# KiCad board Amiga A500 Keyboard - Mitsumi A619B Membrane - Mapping.kicad_pcb (continued)
## Routing (per net, layer and track width the routed paths; a pad name or vN(x,y) marks a point on that pad's centre or on a via; arc(x,y) is an arc through that point) (continued)
/PD0_~{Y0}: length 395.9
  Top w0.25: SW74.1 313.45,33.72 SW59.1 315.71,31.41 324.86,31.41 SW29.1 330.96,25.31 343.18,25.31 SW44.1 349.88,25.54 354.09,25.54 355.84,23.79 355.84,22.06 358.43,19.47 369.74,19.47 372.84,22.57 372.84,25.31 371.16,26.99 371.16,36.44 374.31,39.59 380.96,39.59 382.59,41.21 382.59,48.2 381.6,49.19 379.41,49.19 375.81,52.79 375.81,55.44 373.45,57.8 373.45,59.91 375.48,61.94 383.99,61.94 385.41,63.36 394.38,63.36 396.97,65.95 396.97,67.63 394.43,70.17 387.42,70.17 381.75,64.5 379.8,64.5 379.01,65.29 379.01,67.4 375.25,71.16 372.18,71.16 367.05,76.29 367.05,80.33 365.85,81.52 362.09,81.52 359.73,83.88 359.73,86.6 356.62,89.71 356.62,89.84 ; 356.62,89.84 350.05,83.27 344.4,83.27 SW89.1 338.64,89.04 338.57,89.04 338.57,91.68 328.94,101.31 328.94,101.36 328.93,101.38 J1.29 ; 356.62,89.84 361.58,94.81 374.67,94.81 376.67,92.8 376.67,90.87 379.47,88.07 381.47,88.07 387.14,93.74 393.87,93.74 394.81,92.8 394.81,91.86 398.9,87.77 402.17,87.77 404.48,90.08 414.31,90.08 416.7,87.69 427.73,87.69 429.61,89.57 433.8,89.57 435.65,87.72 435.65,84.77 430.98,80.1 430.98,75.37 431.41,74.94 432.04,74.94 433.24,73.75 433.24,72.17 431.99,70.93 429.99,70.93 429.58,70.52 429.58,69.49 SW15.1
/PD0_~{Y8}: length 930.5
  Top w0.25: 162.02,57.87 152.15,57.87 SW36.1 ; 162.02,57.87 180.3,57.87 181.29,56.88 190.67,56.88 197.98,64.2 197.98,67.32 194.48,70.83 184.9,70.83 181.85,67.78 179.14,67.78 176.04,70.88 169.2,70.88 166.59,68.26 160.47,68.26 157.32,71.41 157.32,79.06 ; 162.02,57.87 162.17,57.87 162.17,52.26 165.29,49.14 171.19,49.14 173.9,51.85 180.69,51.85 183.66,48.88 183.66,46.5 185.97,44.18 185.97,42.38 189.73,38.62 231.13,38.62 236.01,33.74 236.01,32.58 234.08,30.65 232.27,30.65 229.4,33.52 229.4,35.29 227.73,36.97 221.88,36.97 215.61,30.7 212.77,30.7 209.08,34.38 209.08,35.22 207.96,36.34 201.44,36.34 195.67,30.57 193.44,30.57 191.28,32.73 184.09,32.73 181.52,30.16 173.8,30.16 171.31,32.65 164.94,32.65 161.81,35.78 158.38,35.78 SW22.1 160.87,29.18 160.87,23.81 163.54,21.15 194.53,21.15 197.86,24.47 224.73,24.47 225.92,23.28 240.1,23.28 v1(243.75,26.94) ; 370.14,29.12 370.14,26.51 371.69,24.96 371.69,23.03 369.13,20.46 359.15,20.46 356.96,22.64 356.96,24.22 354.75,26.43 351.42,26.43 350.1,27.75 350.1,28.94 346.75,32.3 344.64,32.3 342.61,30.26 330.93,30.26 328.84,32.35 328.84,43.14 330.37,44.67 330.37,48.07 327.32,51.12 323.79,51.12 309.97,37.3 309.97,32.86 312.28,30.54 312.28,25.59 307.38,20.69 295.57,20.69 293.18,23.08 287.52,23.08 284.44,26.15 268.44,26.15 266.97,27.62 266.97,29.25 263.44,32.78 261.38,32.78 v1(255.74,27.14) ; 370.14,29.12 370.14,37.58 373.06,40.5 380.3,40.5 381.47,41.67 381.47,44.26 378.93,46.8 378.93,48.48 375.27,52.13 373.37,52.13 372.25,53.25 372.25,60.47 374.56,62.78 383.38,62.78 385.03,64.43 391.78,64.43 394.15,66.79 SW7.1 ; 370.14,29.12 363.79,29.12 358.51,34.4 358.51,52.34 351.93,58.92 337.4,58.92 329.63,66.69 329.63,86.6 318.93,97.31 J1.21 ; 157.32,79.06 183.3,79.06 188.43,84.19 188.43,86.35 184.9,89.88 178.32,89.88 175,86.55 170.12,86.55 166.64,90.03 157.52,90.03 154.9,87.41 150.84,87.41 147.79,90.46 147.79,92.34 146.42,93.71 135.56,93.71 SW66.1 128.4,95.16 124.78,95.16 123.66,96.28 123.66,108.22 129.79,114.34 SW81.1 ; 157.32,79.06 149.57,79.06 142.24,71.73 SW51.1
  Bottom w1: v1(243.75,26.94) 255.54,26.94 v1(255.74,27.14)
/PD1_~{Y1}: length 297.8
  Top w0.25: v1(364.43,23.84) 356.94,31.33 356.83,31.33 355.23,32.93 355.23,49.47 v1(350.79,53.91) 348.76,55.94 335.88,55.94 326.38,65.44 322.87,65.44 314.47,73.85 v1(314.47,77.33) 314.47,80.76 315.28,81.57 315.23,81.62 315.23,83.81 SW43.1 ; 284.85,72.4 284.85,64.38 SW58.1 ; 284.85,72.4 284.9,72.45 v1(290.67,72.45) ; 284.85,72.4 284.85,81.04 SW28.1 277.69,88.2 268.52,88.2 SW73.1 261.56,95.16 261.56,111.44 258.67,114.33 SW88.1 ; v1(350.76,65.06) 344.08,65.06 335.88,73.27 335.88,92.7 327.68,100.9 J1.28 ; v1(364.38,9.84) 365.72,11.19 376.29,11.19 378.37,13.27 381.25,13.27 SW14.1
  Bottom w1: v1(364.43,23.84) 364.38,23.79 v1(364.38,9.84) ; v1(290.67,72.45) 297.27,72.45 302.15,77.33 v1(314.47,77.33) ; v1(350.79,53.91) 350.79,65.04 v1(350.76,65.06)
/PD1_~{Y9}: length 1155.9
  Top w0.25: 138.55,80.23 138.55,70.29 140.71,68.14 147.94,68.14 150.08,70.27 156.35,70.27 159.63,66.99 159.63,65.6 161.08,64.15 167.63,64.15 173.47,69.99 175.43,69.99 178.53,66.89 178.53,65.62 180.05,64.1 181.19,64.1 187.11,70.02 194.22,70.02 197.09,67.15 197.09,64.96 189.93,57.8 182.34,57.8 180.96,59.17 143.02,59.17 ; 138.55,80.23 183.07,80.23 187.59,84.75 187.59,85.97 184.62,88.94 182.51,88.94 176.77,83.2 170.45,83.2 169.15,84.49 169.15,85.74 166.03,88.86 163.46,88.86 157.9,83.3 151.4,83.3 149.95,84.75 149.95,86.32 146.78,89.5 139.92,89.5 137.53,87.11 131.21,87.11 128.84,89.47 122.01,89.47 120.66,88.13 116.42,88.13 SW65.1 110.02,94.53 110.02,110.76 SW80.1 ; 138.55,80.23 131.57,80.23 SW50.1 ; SW35.1 134.42,59.17 143.02,59.17 ; 143.02,59.17 143.02,51.45 145.48,48.98 151.35,48.98 153.66,51.3 161.1,51.3 164.25,48.15 164.25,46.57 165.83,45 171.97,45 177.79,50.81 179.92,50.81 182.74,47.99 182.74,45.86 183.78,44.82 183.78,39.15 182.77,38.14 141.81,38.14 SW21.1 134.54,36.59 127.02,36.59 120.51,30.09 116.8,30.09 114.52,32.37 108.78,32.37 102.22,25.82 98.72,25.82 97.47,27.06 97.47,29.22 94.3,32.4 89.55,32.4 83.33,26.18 79.75,26.18 78.48,27.45 78.48,28.49 75.02,31.94 71.34,31.94 64.68,25.29 60.8,25.29 58.84,27.24 58.84,28.97 55.74,32.07 54.29,32.07 52.31,30.09 52.31,28.18 57.24,23.25 69.71,23.25 v1(71.9,21.07) ; J1.20 317.68,96.6 318.12,96.15 318.86,96.15 328.79,86.22 328.79,66.08 336.82,58.05 351.22,58.05 357.49,51.78 357.49,33.82 363.41,27.9 367.27,27.9 370.52,24.65 370.52,23.41 368.65,21.53 359.65,21.53 358.08,23.1 358.08,25.67 353.68,30.06 350.41,30.06 347.28,33.19 347.28,35.5 345.79,37 342.2,37 v1(337.94,32.73) ; SW6.1 409.38,5.83 383.68,5.83 380.58,8.93 368.21,8.93 365.85,6.57 362.8,6.57 359.48,9.89 349.98,9.89 347,6.92 341.47,6.92 340.63,7.76 v1(337.96,7.76) 334.81,7.76 333.42,6.36 277.51,6.36 274.41,3.26 260.77,3.26 257.65,6.39 252.67,6.39 249.57,3.29 233.75,3.29 232.88,4.15 201.23,4.15 197.2,8.19 183.58,8.19 178.32,2.93 165.75,2.93 165.27,3.42 155.29,3.42 154.47,2.6 136.34,2.6 135.07,3.87 74.08,3.87 71.87,6.08 v1(71.87,6.79)
  Bottom w1: v1(337.96,7.76) 337.96,32.7 v1(337.94,32.73) ; v1(71.87,6.79) 71.9,6.82 v1(71.9,21.07)
/PD2_~{Y2}: length 625.5
  Top w0.25: v1(257.57,34.86) 255.82,34.86 253.63,32.68 253.63,25.06 254.17,24.52 255.82,24.52 259.1,27.8 259.6,27.8 ; 259.5,95.52 262.02,93 262.02,90.56 264.99,87.59 264.99,80.32 SW57.1 258.92,69.22 258.92,58.12 ; 259.5,95.52 258.84,94.86 250.84,94.86 249.7,93.71 249.7,93.65 SW72.1 ; 259.5,95.52 260.09,96.1 260.09,105.02 255.11,110 239.22,110 SW87.1 ; 259.6,27.8 260.39,27.8 272.4,15.79 272.4,13.12 269.97,10.68 266.49,10.68 263.77,13.4 251.35,13.4 249.14,11.19 243.02,11.19 240.96,13.25 238.14,13.25 233.82,17.56 222.29,17.56 220.69,19.16 201.79,19.16 197.8,15.18 181.55,15.18 174.67,8.29 170.27,8.29 165.5,13.07 156.15,13.07 149.9,6.82 144.75,6.82 SW27.1 ; 259.6,27.8 259.6,29.86 261.58,31.84 263.26,31.84 266.18,28.92 266.18,27.29 268.54,24.93 284.32,24.93 287.29,21.96 292.85,21.96 294.83,19.98 328.94,19.98 333.39,24.42 353.81,24.42 354.65,23.58 354.65,21.86 358.03,18.48 370.37,18.48 377.15,25.26 377.15,26.77 SW13.1 372.15,31.77 372.15,35.73 374.94,38.52 381.55,38.52 383.58,40.55 383.58,48.73 382.31,50 379.69,50 376.75,52.95 376.75,57.59 v1(375.63,58.71) ; 258.92,58.12 258.92,54.58 260.78,52.72 SW42.1 ; 258.92,58.12 255.29,58.12 249.37,52.2 v1(249.37,47.89) ; v1(368.8,58.61) 368.8,71.69 366.21,74.28 364.81,74.28 357.82,81.27 354.52,81.27 351.14,77.89 351.14,70.5 352.87,68.77 352.87,64.53 351.4,63.06 344.44,63.06 334.81,72.68 334.81,92.8 327.78,99.84 326.96,99.84 326.43,100.37 J1.27
  Bottom w1: v1(368.8,58.61) 368.9,58.71 v1(375.63,58.71) ; v1(249.37,47.89) 249.37,43.07 v1(257.57,34.86)
/PD2_~{Y10}: length 1019.1
  Top w0.25: v1(95.57,58.15) 95.54,58.18 95.54,63.22 ; SW5.1 410.95,26.4 407.38,26.4 402.73,21.76 389.85,21.76 385.64,17.54 385.64,14.52 389.12,11.04 391.68,11.04 398.62,17.97 408.14,17.97 411.83,14.29 414.34,14.29 417.49,11.14 417.49,7.91 413.35,3.77 382.62,3.77 380.35,6.03 v1(370.32,6.03) 368.57,4.28 278.3,4.28 276.04,2.02 259.88,2.02 257.27,4.64 253.28,4.64 250.69,2.05 232.15,2.05 231.41,2.78 199.76,2.78 196.38,6.16 195.04,6.16 190.74,1.87 165.37,1.87 165.09,2.15 165.09,2.17 165.01,2.25 155.64,2.25 155.39,1.99 135.24,1.99 134.36,2.88 71.24,2.88 67.83,6.29 v1(67.83,6.9) ; SW79.1 65.16,96.89 14.75,96.89 10.28,92.42 10.28,90.74 13.1,87.92 24.3,87.92 29.96,93.59 31.92,93.59 33.16,92.34 33.16,90.61 36.79,86.98 45.02,86.98 47.92,89.88 52.36,89.88 55.46,86.78 62.12,86.78 64.66,89.32 70.8,89.32 73.75,86.37 73.75,75.96 ; SW49.1 95.54,63.22 ; 95.54,63.22 85.67,63.22 83.5,65.39 83.5,68.16 80.89,70.78 70.42,70.78 68.29,68.64 64.89,68.64 62.65,70.88 53.81,70.88 51.75,68.82 45.99,68.82 43.55,71.26 43.55,74.92 44.59,75.96 73.75,75.96 ; J1.19 316.43,95.85 317.16,95.11 318.35,95.11 327.8,85.66 327.8,65.39 336.23,56.96 350.94,56.96 356.3,51.6 356.3,33.31 363.11,26.51 365.04,26.51 365.67,25.87 365.72,25.87 v1(367.86,23.74) ; 110.9,40.77 100.14,30.01 98.57,30.01 94.96,33.62 94.96,35.4 93.84,36.51 88.74,36.51 81.9,29.68 78.83,29.68 75.61,32.91 69.92,32.91 63.24,26.23 60.75,26.23 59.68,27.29 59.68,29.43 56.23,32.88 53.74,32.88 51.17,30.32 51.17,27.72 56.61,22.29 66.59,22.29 v1(67.86,21.02) ; 110.9,40.77 SW34.1 103.89,47.8 99.15,52.54 v1(95.57,52.54) ; 110.9,40.77 117.95,33.72 SW20.1 ; 73.75,75.96 79.53,75.96 SW64.1
  Bottom w1: v1(367.86,23.74) 367.88,23.71 367.88,8.47 v1(370.32,6.03) ; v1(67.83,6.9) 67.86,6.92 v1(67.86,21.02) ; v1(95.57,58.15) v1(95.57,52.54)
/PD3_~{Y3}: length 434.2
  Top w0.25: v1(350.51,44.95) 341.06,44.95 336.29,49.72 332.25,49.72 329.17,52.79 329.17,54.6 326.63,57.14 325.34,57.14 319.17,50.97 v1(314.37,50.97) ; SW86.1 211.13,114.32 217.13,108.32 217.13,101.51 219.34,99.3 219.34,99.26 SW71.1 227.8,90.85 232.63,86.02 232.63,76.4 ; 232.63,76.4 232.61,76.4 226.74,70.52 226.74,52.46 223.92,49.64 222.04,49.64 218.79,52.9 218.79,54.29 217.49,55.59 213.78,55.59 v1(211.88,53.68) ; 232.63,76.4 SW56.1 239.79,69.24 239.79,65.34 237.56,63.11 237.56,57.17 SW41.1 ; v1(299.63,50.97) 299.63,49.44 295.75,45.56 282.84,45.56 280.35,43.07 274.92,43.07 274.84,42.99 269.18,42.99 268.82,42.63 253.05,42.63 251.98,41.57 234.97,41.57 234.05,42.48 215.84,42.48 v1(211.88,46.44) ; SW12.1 375.09,47.78 372.25,44.95 v1(364.45,44.95) 364.45,53.05 357.88,59.63 357.88,72.81 359.5,74.44 359.5,78.02 357.24,80.28 355.01,80.28 352.24,77.51 352.24,71.31 353.81,69.74 353.81,62.9 352.77,61.86 344.26,61.86 333.72,72.4 333.72,92.7 327.37,99.05 326.23,99.05 325.18,100.1 J1.26
  Bottom w1: v1(211.88,53.68) v1(211.88,46.44) ; v1(350.51,44.95) v1(364.45,44.95) ; v1(299.63,50.97) v1(314.37,50.97)
/PD3_~{Y11}: length 1216.8
  Top w0.25: v1(364.63,79.11) 362.88,79.11 358.82,83.17 358.82,85.81 357.75,86.88 355.23,86.88 347.31,78.96 338.52,78.96 v1(338.5,78.93) ; SW48.1 77.13,69.71 70.88,69.71 68.93,67.75 63.87,67.75 ; SW78.1 49.82,105.35 49.82,105.3 42.59,98.06 14.29,98.06 9.57,93.33 9.57,90.59 13.15,87.01 24.81,87.01 27.6,89.8 32.81,89.8 36.18,86.42 36.18,84.09 37.2,83.07 43.7,83.07 49.57,88.94 51.7,88.94 55.16,85.48 55.16,80.4 ; 55.16,80.4 65.18,80.4 SW63.1 ; 55.16,80.4 47.34,80.4 42.51,75.58 42.51,70.83 45.35,67.98 52.29,67.98 54.09,69.79 61.84,69.79 63.87,67.75 ; v1(94.58,20.38) 91,23.97 78.2,23.97 72.84,18.61 65.01,18.61 62.3,21.32 55.82,21.32 49.85,27.29 49.85,32.3 54.04,36.49 55.36,36.49 56.53,35.32 56.53,33.62 60.31,29.83 62.88,29.83 69.59,36.54 74.67,36.54 75.99,35.22 75.99,34.35 79.77,30.57 80.96,30.57 91.46,41.06 ; 63.87,67.75 63.87,64.83 59.3,60.26 44.85,60.26 35.96,51.37 32.53,51.37 28.67,47.51 28.67,45.38 30.09,43.96 35.65,43.96 38.62,46.93 38.62,50.94 43.12,55.44 46.24,55.44 47.41,54.27 47.41,52.57 50.51,49.47 52.82,49.47 55.01,51.65 66.46,51.65 68.82,49.29 71.92,49.29 75.96,45.25 82.23,45.25 SW33.1 91.46,41.06 ; v1(324.58,78.93) 324.58,87.72 318,94.3 315.86,94.3 315.18,94.99 J1.18 ; v1(94.58,7.2) 96.74,9.36 102.28,9.36 105.2,6.44 137.12,6.44 139,4.56 152.29,4.56 157.7,9.97 164.45,9.97 168.47,5.96 176.09,5.96 182.49,12.36 199.53,12.36 203.72,16.55 209.29,16.55 212.49,13.35 212.49,11.62 216.96,7.15 235.55,7.15 236.95,5.75 247.49,5.75 251.93,10.2 258.36,10.2 262.83,5.73 271.34,5.73 284.19,18.58 290.13,18.58 295.7,13.02 298.29,13.02 301.11,15.84 331.13,15.84 335.7,20.41 348.07,20.41 352.95,15.53 374.56,15.53 386.96,27.93 386.96,33.11 391.56,37.71 394.32,37.71 396.05,35.98 396.05,34.15 399,31.2 399.82,31.2 406.53,37.91 413.37,37.91 415.15,36.13 415.15,34.18 418.2,31.13 419.09,31.13 421.83,33.87 425.01,33.87 426,34.86 426,39.43 425.11,40.32 387.26,40.32 385.69,41.9 385.69,44.36 392.67,51.35 394.96,51.35 397.52,48.78 397.52,46.98 398.92,45.58 400.7,45.58 403.37,48.25 403.37,66 400.75,68.62 398.97,68.62 394.96,72.63 394.96,73.98 394.22,74.71 390.39,74.71 388.76,73.09 385.28,73.09 381.22,69.02 379.72,69.02 376.6,72.15 376.6,74.51 371.97,79.13 v1(370.86,79.13) 370.86,87.97 373.12,90.23 375.33,90.23 378.78,86.78 378.78,84.65 379.97,83.45 381.32,83.45 386.96,89.09 394.38,89.09 396.89,86.58 396.89,84.57 399.71,81.75 426.3,81.75 426.96,81.09 426.96,75.37 425.06,73.47 425.06,68.54 421.17,64.66 418.3,64.66 416.73,66.23 416.73,67.09 413.48,70.35 410.2,70.35 406.54,66.69 406.54,54.56 SW4.1 ; 91.46,41.06 98.8,33.72 SW19.1
  Bottom w1: v1(364.63,79.11) 364.66,79.13 v1(370.86,79.13) ; v1(94.58,20.38) v1(94.58,7.2) ; v1(338.5,78.93) v1(324.58,78.93)
/PD4_~{Y4}: length 552.6
  Top w0.25: J1.25 323.93,99.22 325.06,98.08 327.01,98.08 332.73,92.37 332.73,72 343.68,61.05 353.46,61.05 354.8,62.4 354.8,70.75 353.23,72.33 353.23,76.95 355.06,78.78 357.42,78.78 358.38,77.81 358.38,75.15 356.88,73.65 356.88,58.86 361.96,53.78 361.96,43.14 v1(364.07,41.03) 366.99,43.96 375.15,43.96 377.92,46.72 377.92,48.27 375,51.19 372.84,51.19 371.11,52.92 371.11,62.73 SW11.1 ; 240.07,35.07 246.78,35.07 253.74,42.02 280.61,42.02 281.83,43.24 v1(291,43.24) ; 240.07,35.07 233.29,41.85 192.5,41.85 190.46,43.88 190.46,48.5 197.53,55.56 198.69,55.56 199.71,54.55 199.71,52.97 203.09,49.59 204.89,49.59 208.24,52.95 208.24,55.26 209.77,56.78 218.82,56.78 SW40.1 225.31,55.16 225.31,64.81 218.37,71.76 SW55.1 223.04,76.49 223.1,76.49 226.43,79.82 226.43,87.26 223.84,89.85 218.81,89.85 214.7,93.97 211.89,93.97 SW70.1 195.14,104.49 195.14,106.45 SW85.1 ; 240.07,35.07 240.07,29.48 234.84,24.24 232.1,24.24 SW26.1 ; v1(291,29.3) 292.14,28.16 295.95,28.16 297.32,29.53 297.32,31.18 298.08,31.94 301.84,31.94 325.72,55.82 326.74,55.82 328.23,54.32 328.23,52.62 331.92,48.93 335.22,48.93 343.22,40.93 v1(350.69,40.93)
  Bottom w1: v1(364.07,41.03) 363.97,40.93 v1(350.69,40.93) ; v1(291,43.24) v1(291,29.3)
/PD4_~{Y12}: length 972.8
  Top w0.25: 72.47,40.98 62.17,30.67 60.62,30.67 57.5,33.8 57.5,35.57 55.51,37.55 53.36,37.55 48.83,33.03 48.83,26.71 55.13,20.41 61.84,20.41 64.61,17.64 73.04,17.64 78.27,22.87 88.58,22.87 93.54,17.92 95.27,17.92 97.4,20.05 97.4,21.5 99.28,23.38 105.58,23.38 106.77,24.57 v1(108.96,24.57) ; 72.47,40.98 79.73,33.72 SW18.1 ; 72.47,40.98 SW32.1 62.9,45 51.55,45 49.82,46.72 49.82,48.43 46.45,51.8 44.95,51.8 36.03,42.89 29.73,42.89 27.68,44.95 27.68,47.74 32.32,52.39 35.45,52.39 46.93,63.87 ; J1.17 313.93,94.36 314.64,93.64 314.64,90.59 318.38,86.86 319.5,86.86 320.61,85.74 320.61,76.57 v1(324.65,72.53) ; v1(356.83,84.57) 354.7,84.57 342.64,72.5 v1(339.89,72.5) ; SW77.1 25.11,104.36 25.11,104.2 19.98,99.07 11.93,99.07 5.6,92.75 5.6,91.17 7.03,89.75 8.85,89.75 12.18,86.42 12.18,84.26 13.32,83.12 23.92,83.12 29.71,88.91 32.32,88.91 35.19,86.04 35.19,83.88 42.03,77.05 ; SW62.1 42.62,77.05 42.03,77.05 ; 42.03,77.05 39.03,74.05 39.03,71.59 40.38,70.24 41.67,70.24 45.3,66.61 45.3,65.49 46.93,63.87 ; 46.93,63.87 58.04,63.87 SW47.1 ; SW3.1 416.43,63.69 421.86,63.69 426.13,67.96 426.13,73.19 427.93,74.99 427.93,81.75 427.12,82.56 400.24,82.56 397.75,85.05 397.75,87.21 395.04,89.93 385.54,89.93 382.69,87.08 379.34,87.08 375.76,90.67 375.76,92.62 374.61,93.76 364.43,93.76 361.03,90.36 361.03,86.14 v1(362.52,84.65) 364.48,82.69 366.51,82.69 368.04,81.17 368.04,77 369.79,75.25 374.18,75.25 375.6,73.83 375.6,71.77 379.19,68.19 381.95,68.19 384.8,71.03 394.99,71.03 397.98,68.03 397.98,64.99 402.48,60.49 402.48,52.26 400.04,49.82 398.8,49.82 396.48,52.13 391.96,52.13 384.55,44.72 384.55,40.17 381.65,37.27 379.08,37.27 376.42,34.61 376.42,32.75 378.65,30.52 378.65,25.26 370.86,17.46 353.76,17.46 348.66,22.57 334.74,22.57 329.83,17.67 294.05,17.67 291.91,19.8 283.99,19.8 270.5,6.31 263.36,6.31 258.28,11.39 251.91,11.39 246.88,6.36 238.06,6.36 236.46,7.96 217.97,7.96 214.47,11.47 214.47,13.04 210.1,17.41 203.24,17.41 199.1,13.27 182.18,13.27 175.63,6.72 169.26,6.72 165.01,10.96 156.99,10.96 151.5,5.47 139.84,5.47 137.51,7.81 112.84,7.81 v1(108.98,11.67)
  Bottom w1: v1(362.52,84.65) 356.91,84.65 v1(356.83,84.57) ; v1(324.65,72.53) 324.68,72.5 v1(339.89,72.5) ; v1(108.98,11.67) 108.96,11.7 v1(108.96,24.57)
/PD5_~{Y5}: length 790
  Top w0.25: v1(406.92,96.84) 406.9,96.86 360.49,96.86 356.88,93.26 349.11,93.26 349.11,93.36 346.78,95.69 v1(339.59,95.69) ; SW10.1 425.05,11.93 421.35,11.93 ; v1(200.93,27.5) 202.38,26.05 205.79,26.05 SW25.1 211.96,25.34 219.6,25.34 226.13,31.86 227.34,31.86 230.55,28.66 230.55,27.06 232.45,25.16 234.25,25.16 239.05,29.96 239.05,34.61 232.78,40.88 192.19,40.88 189.47,43.6 189.47,49.06 196.97,56.55 200.2,56.55 SW39.1 206.31,55.01 206.31,64.58 199.22,71.67 SW54.1 201.69,74.22 201.69,75.98 194.58,83.1 194.58,86 SW69.1 ; J1.24 322.68,98.85 322.65,98.82 325.8,95.67 v1(325.87,95.67) ; v1(406.9,88.41) 410.81,88.41 SW84.1 415.54,83.68 422.01,83.68 424.02,85.69 427.07,85.69 430.39,89.01 432.86,89.01 434.89,86.98 434.89,84.82 429.91,79.85 429.91,74.1 428.08,72.28 428.08,66.76 422.98,61.66 410.15,61.66 408.55,60.06 408.55,55.26 411.47,52.34 413.96,52.34 417.06,49.24 421.63,49.24 424.7,52.31 433.36,52.31 435.85,49.82 435.85,46.98 433.76,44.89 431.76,44.89 429.58,42.71 429.58,32.3 426.99,29.71 425.9,29.71 420.72,24.52 406.95,24.52 403.27,20.84 390.72,20.84 386.45,16.57 386.45,14.87 389.27,12.05 391.4,12.05 398.34,18.99 412.41,18.99 414.67,16.73 414.67,15.43 418.18,11.93 421.35,11.93 ; v1(195.7,4.03) 197.78,1.94 230.8,1.94 231.23,1.51 251.45,1.51 253.53,3.59 257.27,3.59 259.3,1.56 277.18,1.56 278.88,3.26 381.5,3.26 382.01,2.76 415.84,2.76 421.35,8.27 421.35,11.93
  Bottom w1: v1(339.59,95.69) 339.56,95.67 v1(325.87,95.67) ; v1(200.93,27.5) 195.7,22.26 v1(195.7,4.03) ; v1(406.9,88.41) 406.92,88.43 v1(406.92,96.84)
/PD5_~{Y13}: length 845.8
  Top w0.25: 54.31,40.14 60.72,33.72 SW17.1 ; 54.31,40.14 47.72,33.54 47.72,26.53 54.93,19.32 61.2,19.32 63.97,16.55 73.32,16.55 78.81,22.03 87.92,22.03 93.11,16.85 99.33,16.85 100.9,18.43 100.9,20.08 v1(100.88,20.1) ; 54.31,40.14 SW31.1 46.61,47.78 40.71,41.87 28.82,41.87 26.51,44.18 26.51,47.84 31.84,53.18 34.64,53.18 36.97,55.51 36.97,61.78 SW46.1 28.92,79.83 28.92,82.32 SW61.1 ; 386.78,80.56 380.49,80.56 SW76.1 ; 386.78,80.56 386.78,77.31 v1(386.81,77.28) ; 386.78,80.56 425.46,80.56 425.92,80.1 425.92,75.6 424.19,73.88 424.19,72.81 419.62,68.24 417.24,68.24 414.21,71.26 409.29,71.26 405.48,67.45 405.48,51.75 412.54,44.69 427.78,44.69 ; J1.16 312.68,94.34 313.78,93.23 313.78,89.8 316.83,86.75 316.83,82.72 319.55,80 319.55,73.9 v1(324.45,69) ; 427.78,44.69 429.19,44.69 SW2.1 ; 427.78,44.69 427.78,33.67 425.85,31.74 425.01,31.74 419.98,26.71 418.33,26.71 417.34,27.7 417.34,29.66 413.76,33.24 411.29,33.24 404.59,26.53 399.33,26.53 398.11,27.75 398.11,29.63 394.48,33.26 392.24,33.26 389.07,30.09 389.07,26.88 376.83,14.64 376.65,14.64 375.02,13.02 352.64,13.02 347.39,18.28 337,18.28 332.5,13.78 301.92,13.78 299.18,11.04 294.91,11.04 289.17,16.78 285.13,16.78 272.84,4.48 261.89,4.48 258.05,8.32 252.52,8.32 248.73,4.53 235.37,4.53 234.33,5.58 202.5,5.58 197.93,10.15 183,10.15 177.28,4.43 167.15,4.43 166.08,5.5 154.8,5.5 153.18,3.87 138.34,3.87 136.51,5.7 102.33,5.7 v1(100.9,7.13) ; v1(386.81,66.51) 385.49,66.51 382.69,63.72 379.31,63.72 377.84,65.19 377.84,67.22 374.87,70.19 371.74,70.19 366.56,75.37 365.19,75.37 358.33,82.23 353.96,82.23 343.55,71.82 v1(343.55,69.02)
  Bottom w1: v1(100.88,20.1) 100.88,7.15 v1(100.9,7.13) ; v1(343.55,69.02) 324.47,69.02 v1(324.45,69) ; v1(386.81,77.28) v1(386.81,66.51)
/PD6_~{Y6}: length 737.4
  Top w0.25: v1(324.68,61.89) 326.89,61.89 337.4,51.37 337.4,50.64 342,46.04 346.65,46.04 348.43,47.82 351.22,47.82 352.97,46.06 352.97,40.2 348.1,35.32 348.1,33.67 350.89,30.87 355.21,30.87 360.49,25.59 v1(360.49,23.84) ; 191.96,75.91 184.5,75.91 180.35,71.76 SW53.1 ; 191.96,75.91 194.22,75.91 195.95,74.18 195.95,71.9 199.33,68.52 200.83,68.52 202.78,66.56 202.78,63.67 194.22,55.11 187.34,55.11 184.96,52.72 SW38.1 188.51,49.15 188.51,43.07 191.53,40.04 232.43,40.04 238.01,34.46 238.01,30.26 233.8,26.05 232.58,26.05 231.31,27.32 231.31,29.12 227.83,32.6 225.03,32.6 218.61,26.18 213.27,26.18 212.08,27.37 212.08,28.44 208.8,31.71 201.44,31.71 195.9,26.18 192.09,26.18 SW24.1 186.43,25.71 v1(186.43,23.84) ; 191.96,75.91 193.36,77.31 193.36,85.66 191.18,87.85 189.32,87.85 186.32,90.84 186.32,93.15 185.03,94.45 174.33,94.45 SW68.1 167.3,94.23 167.3,110.5 163.46,114.34 SW83.1 ; J1.23 321.43,97.37 331.69,87.11 331.69,69.33 334.69,66.33 334.69,66.26 v1(339,61.94) ; v1(186.4,5.98) 187.62,7.2 196.79,7.2 200.57,3.42 232.22,3.42 232.8,2.84 248.45,2.84 248.48,2.81 250.26,2.81 253.08,5.63 257.52,5.63 260.52,2.63 275.17,2.63 277.92,5.37 347.26,5.37 349.34,7.46 v1(358.33,7.46) 360.44,5.35 366.05,5.35 368.8,8.09 379.95,8.09 383.2,4.84 412.54,4.84 416.32,8.62 416.32,10.88 413.76,13.45 410.83,13.45 407.05,17.23 399.71,17.23 392.8,10.33 392.8,8.01 392.39,7.61 389.47,7.61 388.25,8.83 388.25,10.35 384.52,14.08 382.79,14.08 381.93,14.95 381.93,16.53 SW9.1
  Bottom w1: v1(186.43,23.84) 186.43,6.01 v1(186.4,5.98) ; v1(360.49,23.84) 360.47,23.81 360.47,9.59 v1(358.33,7.46) ; v1(324.68,61.89) 338.95,61.89 v1(339,61.94)
/PD6_~{Y14}: length 907.3
  Top w0.25: 25.24,55.51 25.05,55.33 SW30.1 ; 25.24,55.51 25,55.27 22.42,57.85 6.09,57.85 2.43,54.19 2.43,26.91 13.38,15.96 13.38,10.4 20.18,3.59 61.1,3.59 66.46,8.95 72.61,8.95 76.7,4.86 135.57,4.86 137.28,3.16 153.74,3.16 154.95,4.38 165.72,4.38 166.36,3.75 169.86,3.75 169.92,3.8 169.94,3.77 177.84,3.77 183.25,9.18 197.68,9.18 201.97,4.89 233.29,4.89 234.25,3.92 249.16,3.92 252.59,7.35 257.88,7.35 261.28,3.95 273.8,3.95 277.1,7.25 298.44,7.25 v1(301.23,10.05) 303.95,12.76 332.98,12.76 337.53,17.31 346.93,17.31 352.14,12.1 375.63,12.1 390.24,26.71 390.24,29.68 392.83,32.27 394.32,32.27 397.22,29.38 397.22,27.32 398.85,25.69 405.2,25.69 411.83,32.32 413.58,32.32 416.4,29.5 416.4,27.06 417.62,25.84 420.56,25.84 425.39,30.67 426.66,30.67 428.61,32.63 428.61,42.89 431.08,45.35 433.26,45.35 435.17,47.26 435.17,48.73 432.3,51.6 430.42,51.6 424.42,45.61 418.2,45.61 416.83,46.98 416.83,48.22 413.73,51.32 411.42,51.32 407.56,55.18 407.56,60.8 409.51,62.75 422.57,62.75 427.17,67.35 427.17,72.78 428.84,74.46 428.84,82.44 SW1.1 ; 25.24,55.51 25.44,55.71 ; v1(301.21,24.47) 299.53,26.15 288.79,26.15 287.06,27.88 287.06,30.59 289.32,32.86 301.23,32.86 311.85,43.47 311.85,56.15 313.43,57.72 315.41,57.72 316.7,59.02 316.7,68.49 310.89,74.31 310.89,78.07 308.9,80.05 308.9,87.64 310.07,88.81 310.07,92.44 311.85,94.22 311.85,99.43 311.43,99.85 J1.15 ; 25.44,55.71 32.58,62.85 32.58,64.94 28.84,68.67 20.89,68.67 20.16,67.93 17.59,67.93 16.7,67.04 16.7,65.47 15.89,64.66 15.49,64.66 SW45.1 10.45,69.7 10.45,74.18 5.09,79.54 5.09,82.27 SW60.1 3.44,91.13 3.44,103.09 6.24,105.88 6.24,112.11 SW75.1 ; 25.44,55.71 20.75,51.02 20.75,45.12 SW16.1
  Bottom w1: v1(301.21,24.47) 301.23,24.45 v1(301.23,10.05)
/PD7_~{Y7}: length 992.7
  Top w0.25: v1(163.9,7.61) 165.55,7.61 167.86,5.3 176.55,5.3 182.49,11.24 198.21,11.24 203.04,6.41 235.12,6.41 236.41,5.12 247.94,5.12 252.11,9.28 257.98,9.28 262.19,5.07 271.69,5.07 284.37,17.74 289.5,17.74 295.29,11.95 298.49,11.95 301.31,14.77 331.71,14.77 336.26,19.32 347.87,19.32 352.92,14.26 374.56,14.26 388.15,27.85 388.15,32.93 391.89,36.67 394.25,36.67 395.09,35.83 395.09,33.9 398.69,30.29 400.93,30.29 407.48,36.84 413.3,36.84 414.24,35.9 414.24,34 417.92,30.32 419.98,30.32 422.54,32.88 425.54,32.88 426.89,34.23 426.89,41.44 424.73,43.6 404.18,43.6 ; 404.18,43.6 404.38,43.6 404.38,71.64 407.56,74.82 413.37,74.82 414.31,73.88 414.31,72.56 417.79,69.08 418.82,69.08 423,73.25 423,74.13 424.98,76.11 424.98,78.98 424.6,79.36 391.86,79.36 387.52,75.02 381.27,75.02 371.87,84.42 371.87,87.52 373.52,89.17 375.35,89.17 376.54,87.97 376.54,87.77 377.84,86.47 377.84,84.57 379.69,82.72 391.02,82.72 SW82.1 ; 404.18,43.6 398.35,43.6 SW8.1 389.19,42.79 v1(387.92,42.79) ; 180.86,56.05 192.52,56.05 201.69,65.21 201.69,66.38 200.34,67.73 198.62,67.73 194.96,71.39 194.96,73.6 194.1,74.46 187.01,74.46 181.14,68.59 179.77,68.59 176.32,72.05 176.32,77.46 ; 180.86,56.05 180.53,56.05 180.2,56.38 169.51,56.38 165.93,52.8 SW37.1 ; 180.86,56.05 180.86,53.1 184.98,48.98 186.32,48.98 187.39,47.92 187.39,42.71 190.79,39.31 231.51,39.31 237.07,33.74 237.07,32.42 234.33,29.68 232.09,29.68 228.44,33.34 228.44,35.27 227.5,36.21 222.85,36.21 216.32,29.68 212.31,29.68 209.23,32.75 201.18,32.75 198.08,29.66 192.22,29.66 190.01,31.86 187.82,31.86 181.96,26 173.35,26 SW23.1 170.57,28.73 166.36,24.52 v1(163.87,24.52) ; v1(379.29,42.79) 372.1,42.79 367.81,38.49 367.81,33.85 365.44,31.48 363.18,31.48 359.83,34.84 359.83,52.64 352.72,59.75 338.06,59.75 330.85,66.97 330.85,86.65 320.18,97.32 320.18,98.51 320.18,98.52 J1.22 ; 176.32,77.46 185.44,77.46 192.17,84.19 192.17,85.46 190.85,86.78 189.14,86.78 185.51,90.41 185.51,92.44 184.6,93.36 177.84,93.36 172.1,87.62 170.17,87.62 166.69,91.1 166.69,92.44 165.47,93.66 154.64,93.66 SW67.1 ; 176.32,77.46 166.87,77.46 161.2,71.79 SW52.1
  Bottom w1: v1(387.92,42.79) v1(379.29,42.79) ; v1(163.87,24.52) 163.9,24.5 v1(163.9,7.61)
